# Altium PCB LimeSDR-XTRX_1v3.PcbDoc (part 8 of 8)
Units mm, origin at the board's own origin, x right, y up, seen from the top; angles counter-clockwise.
Board outline 50.8 x 29.7 mm, 8 copper layers (Top, L2, L3, L4, L5, L6, L7, Bottom), stack 0.925 mm thick; 550 components, 387 nets, 2179 pads, 901 vias.
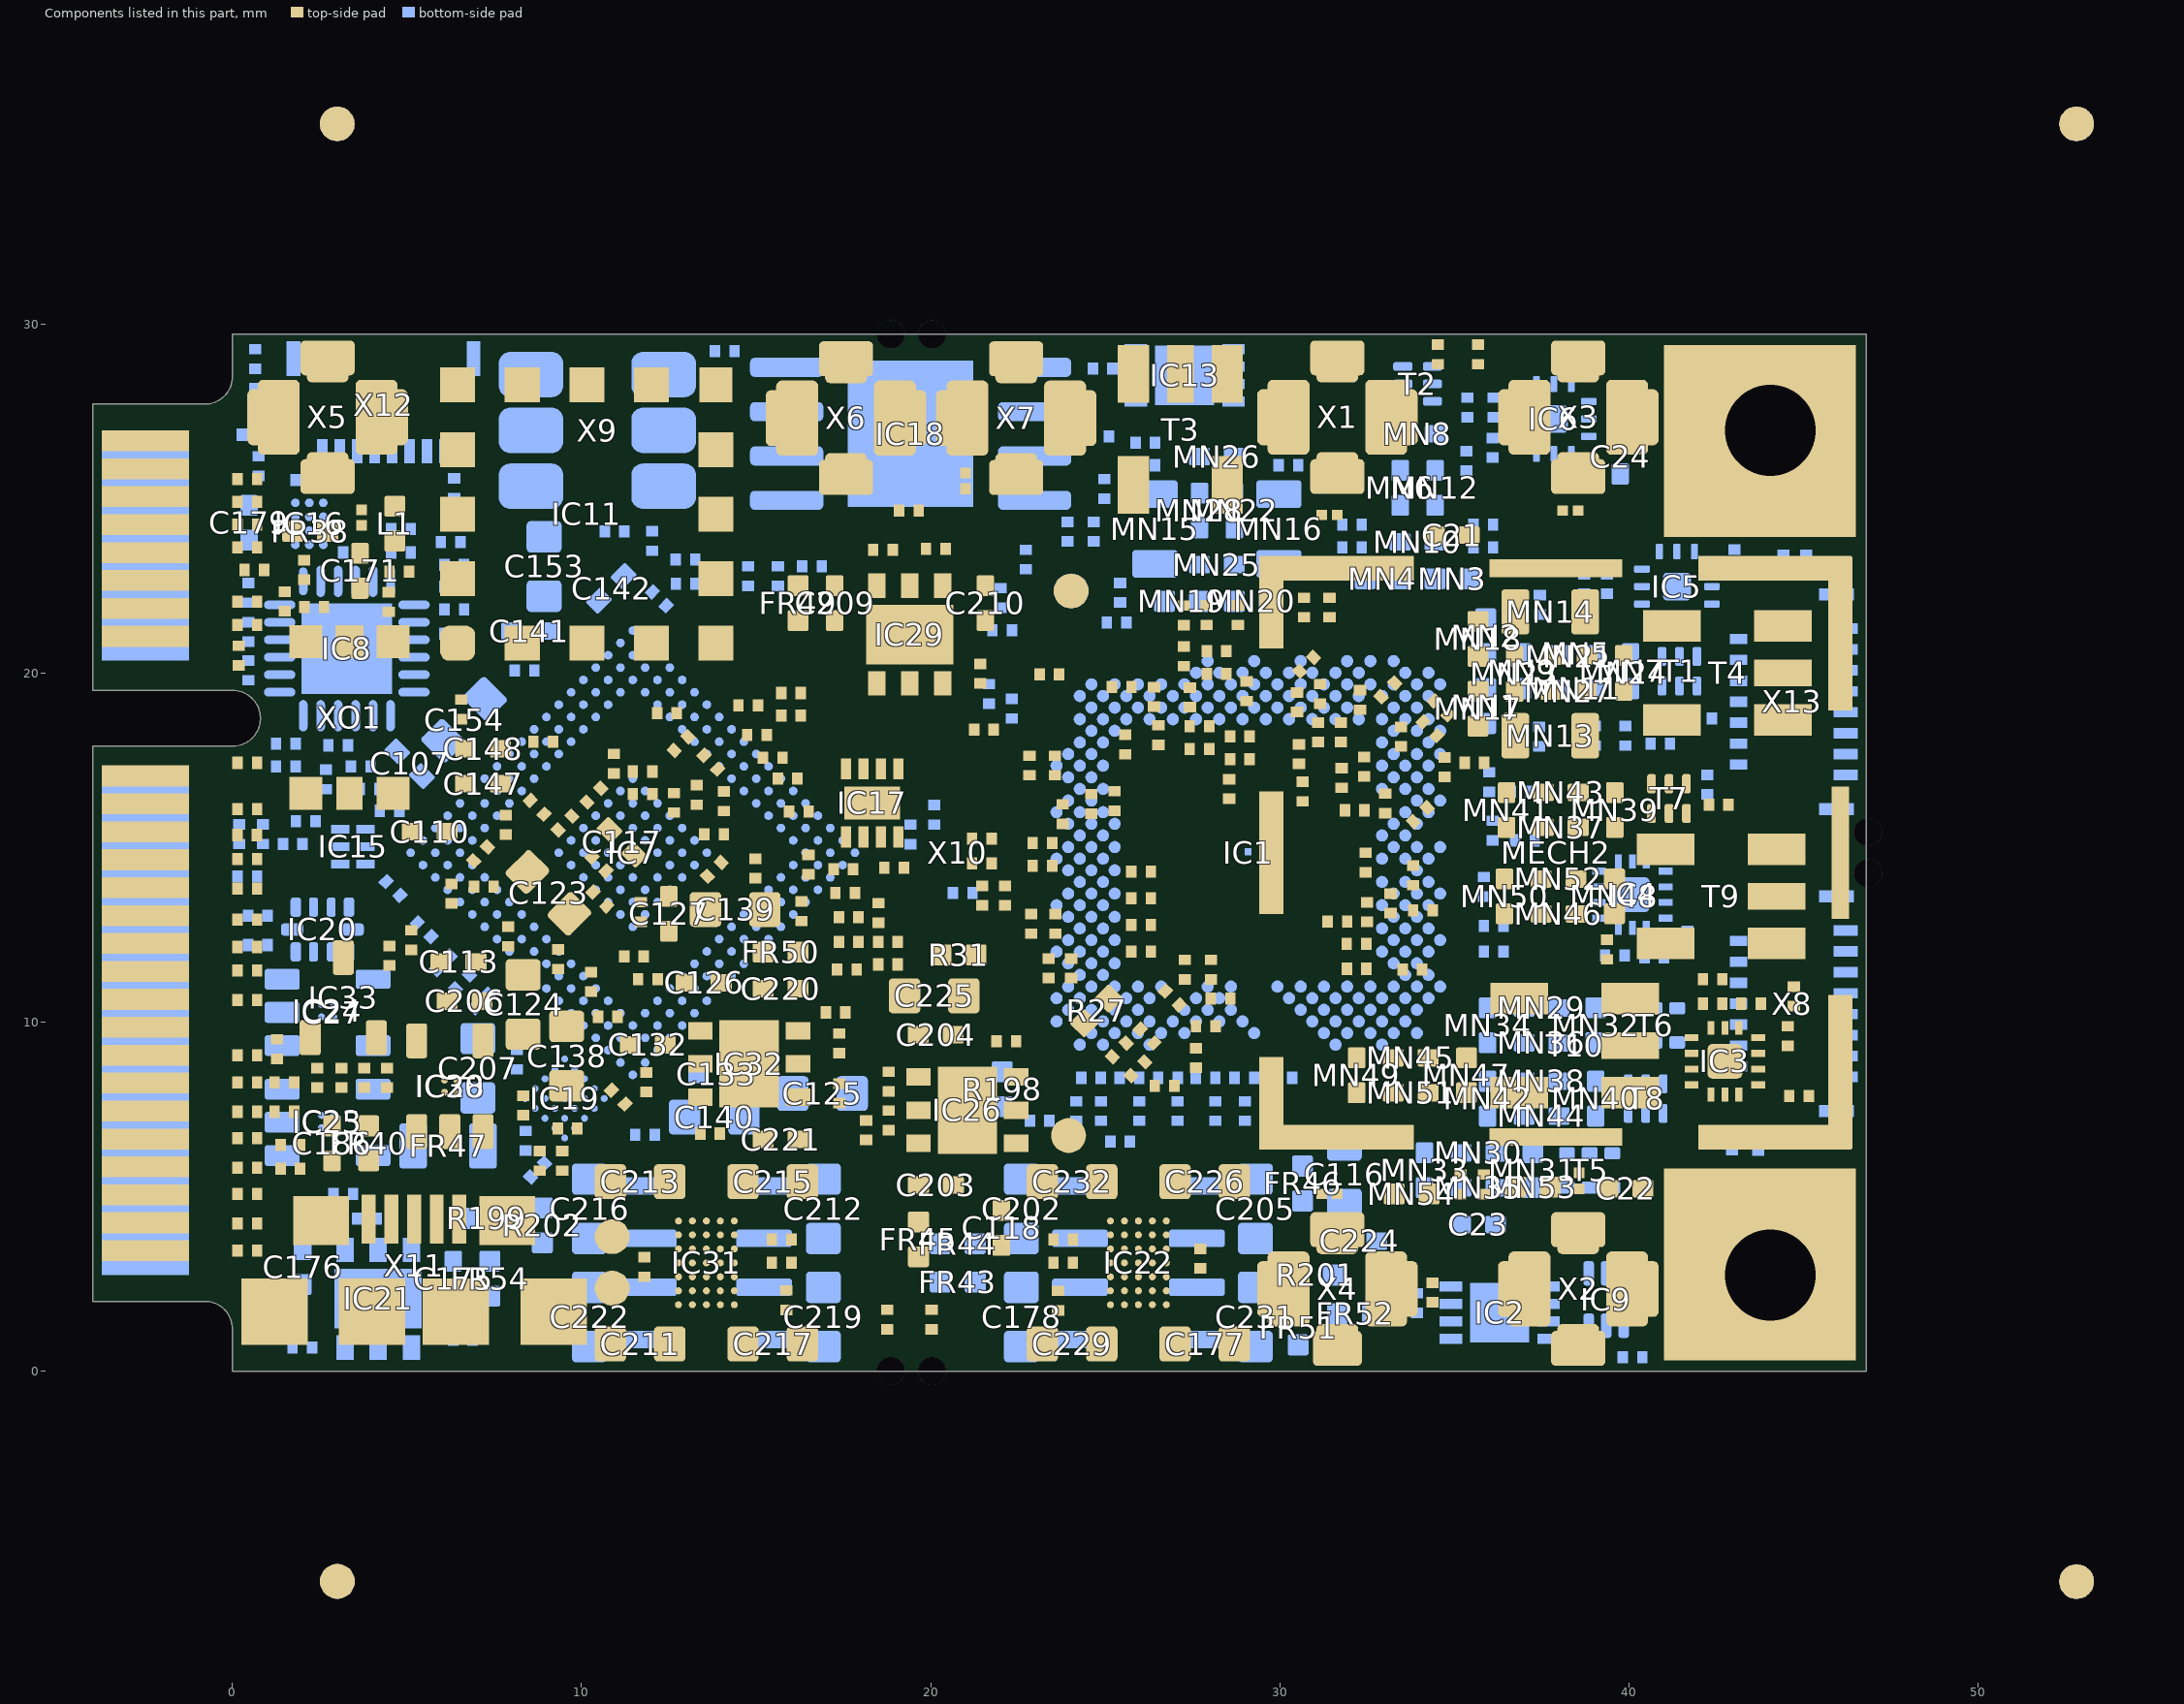
[diagram p14: the components of this part, seen from the top]

## Silkscreen, mask and mechanical layers (free items; w line width, h text height) (continued)
Mechanical1:
  drawing of 2586 lines, arcs and shapes, not listed
  text "LimeSDR-XTRX_v1.3" at 207.475,288.32 h7
  text "CONTROLLED IMPEDANCE" at 67.575,274.82 h3
  text "STACKUP AND LAYER DESCRIPTION" at 196.575,274.82 h3
  text "GENERAL PARAMETERS" at 81.475,268.32 h1.7
  text "Parameter" at 103.475,264.545 h1.5
  text "Layer/Layers" at 148.975,264.32 h1.5
  text "Value" at 178.975,264.32 h1.5
  text "Top" at 143.975,259.52 h1.5
  text "17.5um" at 171.275,259.52 h1.5
  text "Copper foil thickness" at 68.475,259.32 h1.5
  text "102um (4 mils)" at 170.575,254.92 h1.5
  text "Dielectric thickness between layers" at 68.475,254.32 h1.5
  text "4.2" at 171.475,249.52 h1.5
  text "Dielectric permittivity between layers (Er)" at 68.475,249.32 h1.5
  text "Top-L2" at 143.975,248.32 h1.5
  text "Via type #2" at 288.35,247.275 h1.52
  text "Via type #1" at 318.25,247.25 h1.52
  text "17.5um" at 171.275,244.52 h1.5
  text "Copper foil thickness" at 68.475,244.32 h1.5
  text "Micro via" at 290.525,243.345 h1.52
  text "Bottom" at 143.975,243.32 h1.5
  text "Blind via" at 311.775,243.32 h1.52
  text "TH via" at 330.025,243.07 h1.52
  text "GERBER LAYER NAMES:" at 203.625,241.67 h1.52
  text "L7-Bot" at 292.475,240.27 h1.52
  text "L5-Bot" at 313.475,240.245 h1.52
  text "Top-Bot" at 329.475,239.995 h1.52
  text "102um (4 mils)" at 170.575,239.92 h1.5
  text "Dielectric thickness between layers" at 68.475,239.32 h1.5
  text "GTP" at 204.725,238.12 h1.52
  text "Top solder paste" at 209.825,237.77 h1
  text "GTO" at 204.725,235.045 h1.52
  text "Silkscreen" at 209.725,234.82 h1
  text "4.2" at 171.475,234.52 h1.5
  text "Dielectric permittivity between layers (Er)" at 68.475,234.32 h1.5
  text "ELECTRICAL LAYERS:" at 344.025,233.57 h1.52
  text "Bottom-L7" at 143.975,233.42 h1.5
  text "GTS" at 204.725,232.37 h1.52
  text "Soldermask (halogen free)" at 209.725,231.07 h1
  text "Top: RF/Signal/PWR/GND" at 344.7,230.095 h1.52
  text "GTL" at 204.725,229.87 h1.52
  text "0.5oz+plating" at 209.725,229.37 h1
  text "IT180A: 3313" at 258.187,227.22 h1.2
  text "4mil (102um)" at 240.887,227.195 h1
  text "PP" at 232.025,227.07 h1
  text "CALCULATIONS" at 67.475,226.82 h1.7
  text "G1" at 204.725,225.37 h1.52
  text "1oz (35um)" at 209.725,225.17 h1
  text "L2: GND" at 344.725,225.07 h1.52
  text "IT180A: 3313" at 258.175,222.72 h1.2
  text "4mil (102um)" at 240.875,222.695 h1
  text "CORE" at 232.025,222.57 h1
  text "Target impedance" at 74.475,221.82 h1.5
  text "Single-ended" at 143.975,221.82 h1.5
  text "50R" at 170.475,221.82 h1.5
  text "G2" at 204.725,220.87 h1.52
  text "1oz (35um)" at 209.725,220.67 h1
  text "L3: Signal/PWR/GND" at 344.725,220.57 h1.52
  text "IT180A: 2116" at 258.175,218.22 h1.2
  text "4.6mil (117um)" at 240.875,218.195 h1
  text "PP" at 232.025,218.07 h1
  text "Additional comments" at 74.475,216.82 h1.5
  text "Top layer, no side GND plane" at 143.975,216.82 h1.5
  text "G3" at 204.725,216.37 h1.52
  text "1oz (35um)" at 209.725,216.17 h1
  text "L4: Signal/PWR/GND" at 344.725,216.07 h1.52
  text "IT180A: 3313" at 258.175,213.72 h1.2
  text "4mil (102um)" at 240.875,213.695 h1
  text "CORE" at 232.025,213.57 h1
  text "G4" at 204.712,211.87 h1.52
  text "Top layer copper foil thickness" at 74.475,211.82 h1.5
  text "17.5um" at 143.975,211.82 h1.5
  text "1oz (35um)" at 209.725,211.67 h1
  text "1oz (35um)" at 209.712,211.645 h1
  text "L5: GND" at 344.825,211.57 h1.52
  text "IT180A: 2116" at 258.175,209.245 h1.2
  text "4.6mil (117um)" at 240.875,209.22 h1
  text "PP" at 232.012,209.07 h1
  text "G5" at 204.712,207.395 h1.52
  text "1oz (35um)" at 209.712,207.195 h1
  text "L6: CLK/PWR/GND" at 344.712,207.095 h1.52
  text "Track width" at 74.475,206.82 h1.5
  text "0.18mm" at 143.975,206.82 h1.5
  text "IT180A: 3313" at 258.162,204.745 h1.2
  text "4mil (102um)" at 240.862,204.72 h1
  text "CORE" at 232.012,204.595 h1
  text "G6" at 204.7,202.895 h1.52
  text "1oz (35um)" at 209.712,202.695 h1
  text "1oz (35um)" at 209.7,202.67 h1
  text "L7: GND" at 344.812,202.595 h1.52
  text ">3h" at 143.975,201.92 h1.5
  text "Distance to reference plane" at 74.475,201.82 h1.5
  text "IT180A: 3313" at 258.162,200.27 h1.2
  text "4mil (102um)" at 240.862,200.245 h1
  text "PP" at 232,200.095 h1
  text "102um (4 mils)" at 170.575,198.42 h1.5
  text "GBL" at 204.7,198.42 h1.52
  text "Bottom: RF/Signal/PWR/GND" at 344.75,198.395 h1.52
  text "0.5oz+plating" at 209.7,197.92 h1
  text "Dielectric thickness between layers" at 74.475,197.82 h1.5
  text "GBS" at 204.7,195.92 h1.52
  text "Soldermask (halogen free)" at 209.7,194.72 h1
  text "ADDITIONAL LAYERS:" at 347,194.12 h1.52
  text "GBO" at 204.7,193.32 h1.52
  text "Silkscreen" at 209.7,193.12 h1
  text "4.2" at 171.475,193.02 h1.5
  text "Dielectric permittivity between layers (Er)" at 74.475,191.82 h1.5
  text "Top-L2" at 143.975,191.82 h1.5
  text "GBP" at 204.7,190.345 h1.52
  text "Bottom solder paste" at 209.7,190.145 h1
  text "Mechanical 1: Board cutout" at 349.7,189.92 h1.52
  text "Total PCB thicknes: 1mm +/- 10%" at 228.3,187.62 h1.52
  text "50 Ohms (+/- 10% tolerance)" at 143.975,186.92 h1.5
  text "ASM TOP: Assembly top" at 349.7,186.92 h1.52
  text "RF (Top)" at 73.975,186.82 h2 r90
  text "Approximate microstrip line impedance" at 74.475,186.82 h1.5
  text "0.2mm drill / 0.35mm ring" at 311.075,185.275 h1.2
  text "0.2mm drill / 0.35mm ring" at 327.925,185.225 h1.2
  text "0.15mm drill / 0.5mm ring" at 291.975,185.2 h1.2
  text "ASM BOT: Assembly bottom" at 349.7,183.92 h1.52
  text "TH via type must be resin filled with metal cap" at 276.75,182.025 h1.52
  text "Target impedance" at 74.475,181.82 h1.5
  text "Differential" at 143.975,181.82 h1.5
  text "100R" at 170.475,181.82 h1.5
  text "Mechanical 13: Component 3D body" at 349.7,180.92 h1.52
  text "Notes: Board shape and frame" at 349.775,177.995 h1.52
  text "Additional comments" at 74.475,176.82 h1.5
  text "Top layer, no side GND plane" at 143.975,176.82 h1.5
  text "Blind and micro via type can be coated with copper" at 276.85,176.05 h1.52
  text "Top layer copper foil thickness" at 74.475,171.82 h1.5
  text "17.5um" at 143.975,171.82 h1.5
  text "Track width" at 74.475,166.82 h1.5
  text "0.1 mm (3.93 mils)" at 143.975,166.82 h1.5
  text "Track spacing" at 74.475,161.82 h1.5
  text "0.1 mm (3.93 mils)" at 143.975,161.82 h1.5
  text ">3h" at 143.975,156.92 h1.5
  text "Distance to reference plane" at 74.475,156.82 h1.5
  text "102um (4 mils)" at 170.575,153.42 h1.5
  text "Dielectric thickness between layers" at 74.475,152.82 h1.5
  text "4.2" at 171.475,148.02 h1.5
  text "Dielectric permittivity between layers (Er)" at 74.475,146.82 h1.5
  text "Top-L2" at 143.975,146.82 h1.5
  text "100 Ohms (+/- 10% tolerance)" at 143.975,141.92 h1.5
  text "RF (Top)" at 73.975,141.82 h2 r90
  text "Approximate microstrip line impedance" at 74.475,141.82 h1.5
  text "Target impedance" at 74.475,136.82 h1.5
  text "Single-ended" at 143.975,136.82 h1.5
  text "50R" at 170.475,136.82 h1.5
  text "Additional comments" at 74.475,131.82 h1.5
  text "Bottom layer, no side GND plane" at 143.975,131.82 h1.5
  text "Top layer copper foil thickness" at 74.475,126.82 h1.5
  text "17.5 um" at 143.975,126.82 h1.5
  text "VERY IMPORTANT NOTES" at 196.575,123.62 h3
  text "Track width" at 74.475,121.82 h1.5
  text "0.18mm" at 143.975,121.82 h1.5
  text "GENERAL PCB SPECS" at 196.575,117.12 h1.7
  text "ADDITIONAL REQUIREMENTS" at 305.575,117.12 h1.7
  text ">3h" at 143.975,116.92 h1.5
  text "Distance to reference plane" at 74.475,116.82 h1.5
  text "102um (4 mils)" at 170.575,113.42 h1.5
  text "Dielectric thickness between layers" at 74.475,112.82 h1.5
  text "Minimum copper to copper spacing" at 197.475,112.12 h1.5
  text "0.1mm (3.9mil)" at 252.975,112.12 h1.5
  text "4.2" at 171.475,108.02 h1.5
  text "Minimum track width" at 197.475,107.12 h1.5
  text "0.1mm (3.9mil)" at 252.975,107.12 h1.5
  text "All 0.2mm vias including 0.35mm ring and 0.2mm drill via-in-pads (IC1 and IC7) must be resin filled with metal cap." at 310.425,107.12 h1.5
  text "Dielectric permittivity between layers (Er)" at 74.475,106.82 h1.5
  text "Bottom-L7" at 143.975,106.82 h1.5
  text "PCB thickness" at 197.475,102.12 h1.5
  text "1mm +/-10%" at 252.975,102.12 h1.5
  text "49.99 Ohms (+/- 10% tolerance)" at 143.975,101.92 h1.5
  text "RF (Bottom)" at 73.975,101.82 h2 r90
  text "Approximate microstrip line impedance" at 74.475,101.82 h1.5
  text "Target impedance" at 74.475,96.82 h1.5
  text "Differential" at 143.975,96.82 h1.5
  text "85R" at 170.475,96.82 h1.5
  text "PCB material" at 197.475,92.12 h1.5
  text "IT-180A preferred or equivalent RF-rated material (up to 3 GHz or higher)" at 253.975,92.02 h1.5
  text "Additional comments" at 74.475,91.82 h1.5
  text "Top/Bottom layers, no side GND" at 143.975,91.82 h1.5
  text "IC1 thermal pad vias with 0.4mm ring and 0.2mm drill must be resin filled with metal cap. IC1 thermal pad vias  with 0.5mm ring and 0.2mm drill must be left open (NO resin fill with metal cap). 4 vias in total, marked with note." at 310.425,91.12 h1.5
  text "External layer" at 252.975,87.12 h1.5
  text "0.5 oz+plating" at 279.575,87.12 h1.5
  text "Top layer copper foil thickness" at 74.475,86.82 h1.5
  text "17.5 um" at 143.975,86.82 h1.5
  text "Copper weight" at 197.475,82.32 h1.5
  text "Internal layer" at 252.975,82.12 h1.5
  text "1 oz" at 279.475,82.12 h1.5
  text "Track width" at 74.475,81.82 h1.5
  text "0.14 mm (5.5 mils)" at 143.975,81.82 h1.5
  text "DARK BLUE" at 252.975,77.12 h1.5
  text "Electrical test : 100 % netlist." at 310.425,77.12 h1.5
  text "Track spacing" at 74.475,76.82 h1.5
  text "0.1 mm (3.93 mils)" at 143.975,76.82 h1.5
  text "Both sides" at 252.975,72.12 h1.5
  text ">3h" at 143.975,71.92 h1.5
  text "Distance to reference plane" at 74.475,71.82 h1.5
  text "PCIe REQUIREMENTS #2 AND #3" at 9.375,68.7 h0.7
  text "PCI connector / edge chamfer" at -5.875,68.45 h0.7
  text "173um (6.8 mils)" at 170.575,68.42 h1.5
  text "Dielectric thickness between layers" at 74.475,67.82 h1.5
  text "Halogen free" at 252.975,67.12 h1.5
  text "Boards are to be individually bagged." at 310.425,67.12 h1.5
  text "4.2" at 171.475,63.02 h1.5
  text "Solder mask" at 197.475,62.12 h1.5
  text "Glossy finish (NOT matte)" at 252.975,62.12 h1.5
  text "Dielectric permittivity between layers (Er)" at 74.475,61.82 h1.5
  text "Top-L2 / Bottom-L7" at 143.975,61.82 h1.5
  text "45 (+/- 7) / degrees" at -10.55,59.525 h0.7
  text "White epoxy ink" at 252.975,57.12 h1.5
  text "PCB vendor to silkscreen UL and RoHS compliance marks, vendor logo and date code on bottom where shown (ignore if none of the info will be placed on PCB)" at 310.425,57.12 h1.5
  text "85 Ohms (+/- 10% tolerance)" at 143.975,56.92 h1.5
  text "PCIe (Top and Bottom)" at 73.975,56.82 h2 r90
  text "Approximate microstrip line impedance" at 74.475,56.82 h1.5
  text "0.25mm" at -10.424,54.775 h0.7
  text "Both sides" at 252.975,52.12 h1.5
  text "1mm +/- 0.1mm" at -5.925,50.725 h0.7
  text "PCIe REQUIREMENT #1" at -20.225,47.75 h0.7
  text "Halogen free" at 252.975,47.12 h1.5
  text "Assembly note: Assembly house MUST provide notes in paper with shipped board if there were any changes during assembly and the board is not assembled 100% according to BOM and P&P files. Note example:" at 310.425,44.12 h1.5
  text "Silkscreen" at 197.475,42.12 h1.5
  text "No silkscreen on pads" at 252.975,42.12 h1.5
  text "Comment" at 371.175,40.07 h1.5
  text "Part" at 311.775,38.82 h1.5
  text "Initial BOM asm. note" at 320.175,38.82 h1.5
  text "Current PCB status" at 338.175,38.82 h1.5
  text "Plated" at 252.975,37.12 h1.5
  text "Non-plated" at 279.475,37.12 h1.5
  text "R1" at 313.025,33.82 h1.5
  text "FIT" at 326.275,33.82 h1.5
  text "NF" at 344.525,33.82 h1.5
  text "Not mounted due to bad footprint" at 355.775,33.32 h1.5
  text "IC5" at 312.525,30.82 h1.5
  text "FIT" at 326.275,30.82 h1.5
  text "NF" at 344.525,30.32 h1.5
  text "Not mounted due to part shortage" at 355.775,29.82 h1.5
  text "Hole types on the PCB and information" at 197.475,27.12 h1.5
  text "Hole diameters are final manufactured diameters INCLUDING HOLE METALIZATION." at 257.175,27.12 h1.5
  text "V-score" at 253.725,22.12 h1.5
  text "Tab route" at 279.475,22.12 h1.5
  text "Route process" at 197.475,17.12 h1.5
  text "V-score and tab route" at 253.725,17.12 h1.5
  text "PCIe REQUIREMENT #1: PCI EXPRESS pads (top and bottom) - 30 micro inches of gold over 50 micro inches nickel plating" at 310.425,17.095 h1.5
  text "Panel" at 197.375,12.12 h1.5
  text "Yes" at 253.725,12.12 h1.5
  text "No" at 279.475,12.12 h1.5
  text "HASL lead free" at 253.725,7.12 h1.5
  text "PCIe REQUIREMENT #2: Board edge below PCI pads must be chamfered (as shown). Edges must be free of cutting burrs" at 310.425,7.095 h1.5
  text "HASL with lead" at 253.725,2.12 h1.5
  text "Immersion gold" at 253.725,-2.88 h1.5
  text "PCIe REQUIREMENT #3: PCIe finger leader lines are acceptable" at 310.425,-2.905 h1.5
  text "0.05-0.10um of gold over / 2.50-5.00um of nickel" at 275.125,-2.98 h1
  text "OSP" at 253.725,-7.88 h1.5
  text "Blind vias can be coated with copper" at 310.425,-12.905 h1.5
  text "PCIe fingers" at 270.5,-13.15 h1
  text "Surface finish (both sides)" at 197.275,-13.18 h1.5
  text "Hard gold" at 253.725,-13.18 h1.5
Notes:
  region: -4,19.5 -3.75,19.5 -3.75,27.7 -4,27.7
  region: -4,2 -3.75,2 -3.75,17.9 -4,17.9
  lines w0.15: -3.75,27.7 -4,27.7 ; -4,27.7 -0.8,27.7 ccw(c-0.8,28.5) 0,28.5 0,29.7 17.951,29.7 17.951,32.725 0,32.725 0,42.88 59.975,42.88 59.975,-13.18 0,-13.18 0,-3.025 17.951,-3.025 17.951,0 0,0 0,1.2 ccw(c-0.8,1.2) -0.8,2 -4,2 -4,17.9 0,17.9 ccw(c0,18.7) 0,19.5 -4,19.5 -4,27.7 ; 20.949,-3.025 49.825,-3.025 49.825,13.351 46.8,13.351 46.8,0 20.949,0 20.949,-3.025 ; 20.949,29.7 46.8,29.7 46.8,16.349 49.825,16.349 49.825,32.725 20.949,32.725 20.949,29.7
ASM BOT:
  circle w0.2: c41.385,9.455 r0.1
  circle w0.2: c39.525,5.3 r0.1
  region: -4,2 -3.75,2 -3.75,17.9 -4,17.9
  region: -4,19.5 -3.75,19.5 -3.75,27.7 -4,27.7
  lines w0.1: 0,27.413 0.65,27.875 ; 7.8,5.275 8.425,6.6 ; 22.575,24.725 23.95,24.05 ; 23.4,25.021 24.675,24.05 ; 24.075,25.625 24.975,25.275
  lines w0.15: -3.75,27.7 -4,27.7 ; 46.8,13.351 46.8,0 0,0 0,1.2 ccw(c-0.8,1.2) -0.8,2 -4,2 -4,17.9 0,17.9 ccw(c0,18.7) 0,19.5 -4,19.5 -4,27.7 ; 46.8,16.349 46.8,29.7 0,29.7 0,28.5 cw(c-0.8,28.5) -0.8,27.7 -4,27.7
  text "Assembly bottom" at 32.25,30.75 h1.25
ASM TOP:
  lines w0.1: 2.425,8.4 2.6,9.2 ; 3.125,8.4 3.4,9.275 ; 3.725,24.45 5.6,24.45 ; 3.768,8.376 4.043,9.251 ; 4.425,8.4 4.925,8.1 ; 4.475,22.059 5.825,21.484 ; 4.575,14.65 7,14.625 ; 4.825,17.15 7.825,15.65 ; 7.2,13.875 7.325,13.55 ; 7.475,12.625 7.9,12.45 ; 9.275,12.7 9.325,11.8 ; 11.7,18.375 12.85,17.95 ; 16.175,9.875 17.3,10.275 ; 16.425,8.825 17.4,9.39 ; 18.5,13.075 19.25,13.4 ; 18.775,8.3 19.575,8.125 ; 18.775,12.2 19.125,12.725 ; 18.8,11.65 21.875,10.675 ; 24.675,19.225 25.472,19.595 ; 26.25,19.975 26.422,19.24 ; 26.525,18.2 26.636,17.423 ; 27.2,17.05 27.7,18.475 ; 27.725,17.825 27.85,17.25 ; 28.88,17.528 29.574,16.824 ; 28.88,18.18 29.625,18.325 ; 29.975,15.8 30.55,17.675 ; 29.975,19.45 30.495,19.161 ; 31.125,15.85 31.125,18.3 ; 31.607,15.525 32.147,16.065 ; 31.95,13.5 32.5,13.15 ; 32.45,14.55 32.925,14.6 ; 32.975,20.2 33.122,19.515 ; 33.175,13.425 33.4,12.7 ; 33.5,18.175 33.525,17.4 ; 33.8,14.2 34.275,14.125 ; 34.725,17.3 35.125,15.725 ; 35.575,16.9 35.6,17.425 ; 38.575,5.45 38.575,6.5
  lines w0.15: -4,2 -4,17.9 0,17.9 ccw(c0,18.7) 0,19.5 -4,19.5 -4,27.7 -0.8,27.7 ccw(c-0.8,28.5) 0,28.5 0,29.7 46.8,29.7 46.8,0 0,0 0,1.2 ccw(c-0.8,1.2) -0.8,2 -4,2
  text "Assembly top" at 16.225,30.85 h1.25

## Dimensions
-4,-16.454 to 59.975,-13.18 on Mechanical1
44.05,2.75 to 41.825,5.25 on Mechanical1
44.05,26.95 to 44.05,2.75 on Mechanical1
46.8,0 to 46.8,29.7 on Mechanical1
-4,2 to 46.8,0 on Mechanical1
59.975,42.88 to 59.975,-13.18 on Mechanical1
-3.75,27.7 to -4,27.7 on Mechanical1

## Text inside footprints (layer, text, board x,y; h text height)
IC1: ASM BOT "1) paste/pad ratio ~60% / 2) 4 thermal pad vias  / without metal cap / 3) all other thermal pad  / vias with metal cap" at 33.39,16.375 h0.4; ASM BOT "Pad size = 0.35mm / Pad paste mask = 0.35mm / No AM2 pad" at 34.865,10.6 h0.4; ASM BOT "Footprint revision: r5" at 31.725,9.45 h0.4; Mechanical7 "0.2mm/0.5mm hole/ring vias under   / pad to be left open (no metal cap)" at 35.865,8.05 h0.35
IC7: ASM BOT "A1" at 5.136,14.108 h0.4 r315; ASM BOT "A19" at 11.359,7.885 h0.4 r315; ASM BOT "W19" at 17.864,14.532 h0.4 r315; ASM BOT "W1" at 11.4,20.575 h0.4 r315
MECH1: ASM TOP "Shield Cover" at 40.625,23.825 h0.4
MECH2: ASM TOP "Shield Frame" at 39.75,22.575 h0.55
T3: Mechanical13 "Pri*" at 25.45,23.975 h0.2; Mechanical13 "Pri" at 28.25,23.975 h0.2; Mechanical13 "Sec*" at 25.45,29.775 h0.2; Mechanical13 "Sec" at 28.15,29.775 h0.2; Mechanical13 "NC" at 26.95,29.775 h0.2
T4: Mechanical13 "NC" at 45.625,20.2 h0.2 r270; Mechanical13 "Sec" at 45.625,19 h0.2 r270; Mechanical13 "Sec*" at 45.625,21.7 h0.2 r270; Mechanical13 "Pri" at 39.825,18.9 h0.2 r270; Mechanical13 "Pri*" at 39.825,21.7 h0.2 r270
T9: Mechanical13 "Pri*" at 39.638,15.3 h0.2 r270; Mechanical13 "Pri" at 39.638,12.5 h0.2 r270; Mechanical13 "Sec*" at 45.438,15.3 h0.2 r270; Mechanical13 "Sec" at 45.438,12.6 h0.2 r270; Mechanical13 "NC" at 45.438,13.8 h0.2 r270
T10: Mechanical13 "NC" at 41.25,9.525 h0.2 r270; Mechanical13 "Sec" at 41.25,8.325 h0.2 r270; Mechanical13 "Sec*" at 41.25,11.025 h0.2 r270; Mechanical13 "Pri" at 35.45,8.225 h0.2 r270; Mechanical13 "Pri*" at 35.45,11.025 h0.2 r270
X1: ASM TOP "in" at 31.35,26.2 h0.4
X2: ASM TOP "in" at 38.05,3.775 h0.4
X3: ASM TOP "in" at 38.25,26.2 h0.4
X4: ASM TOP "in" at 31.15,3.775 h0.4
X5: ASM TOP "in" at 2.475,25.75 h0.55
X6: ASM TOP "in" at 17.275,26.175 h0.4
X7: ASM TOP "in" at 22.15,26.175 h0.4
X8: ASM BOT "Connector input" at 46.175,7.725 h0.4 r270
X11: ASM TOP "PCB edge" at 3.8,1.625 h0.4; Mechanical13 "1" at 3.9,3.85 h0.5; Mechanical13 "5" at 6.3,3.95 h0.5; Mechanical13 "PCB Edge" at -0.05,0.3 h0.25
X13: ASM BOT "Connector input" at 46.175,16.425 h0.4 r270